# KiCad board ElonMux.kicad_pcb (continued)
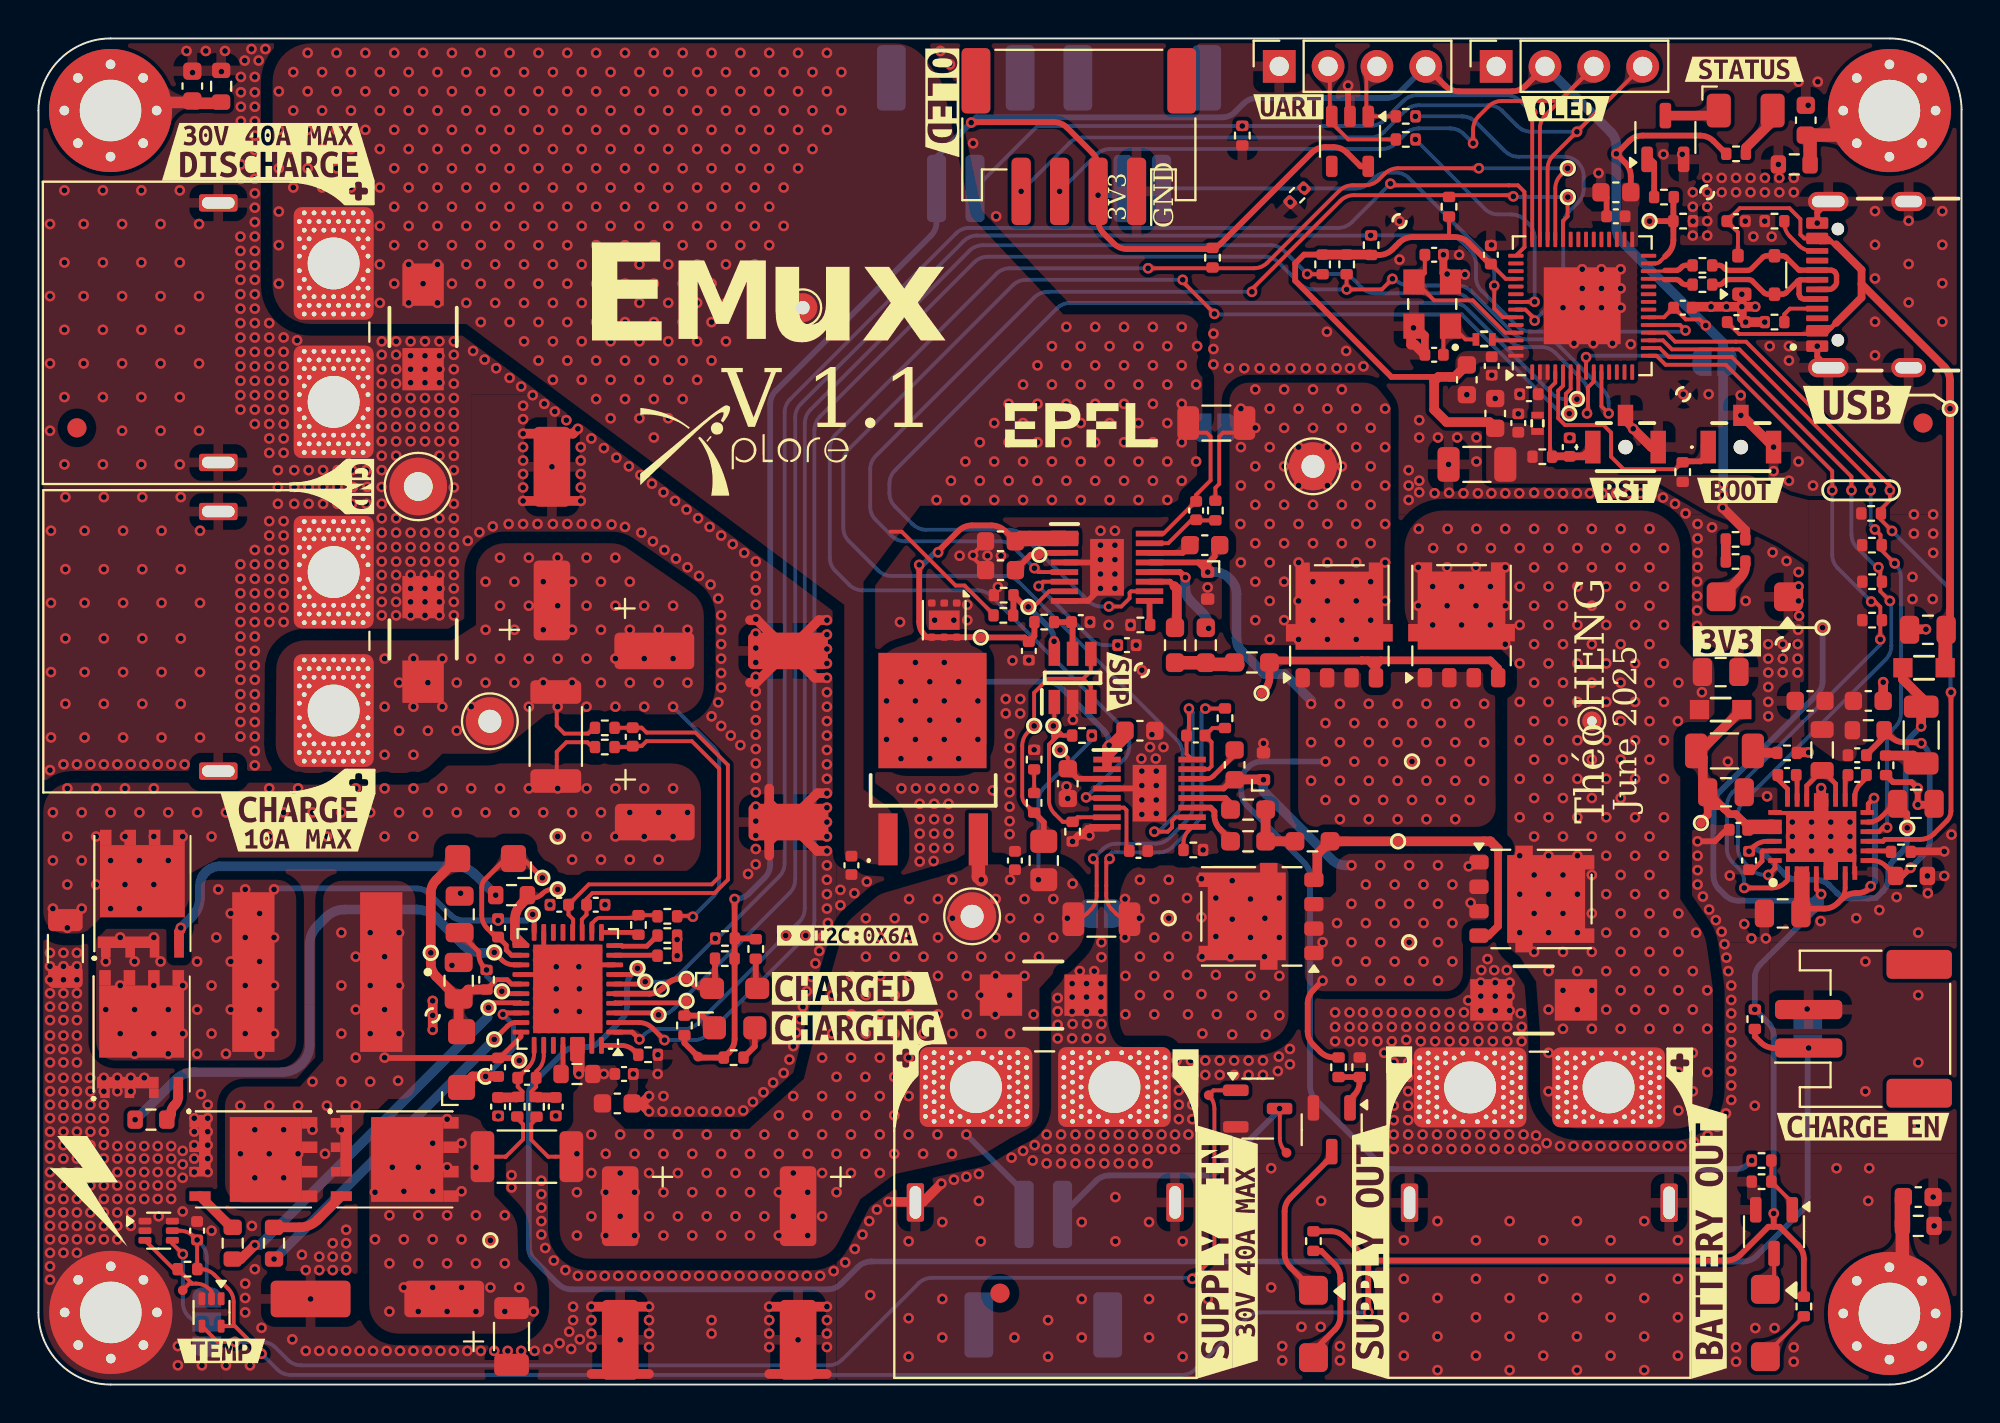
[diagram p0: board, top side]
## Routing (per net, layer and track width the routed paths; a pad name or vN(x,y) marks a point on that pad's centre or on a via; arc(x,y) is an arc through that point) (continued)
+VSUPPLY: length 25.7
  L1 (Sig, PWR) w0.2: R701.1 NT701.2 ; 53.72,24.2 53.81,24.2 arc(54.19,24.28) 54.52,24.49 54.73,24.71 arc(54.95,25.03) 55.03,25.41 NT801.1
  L1 (Sig, PWR) w0.25: U701.34 U701.33 ; 28.25,17.95 28.05,17.95 28,17.9 28,17.87 28,17.95 27.8,17.95 ; 28.28,17.95 28.28,16.33 v1(28.1,16.15) 28.1,16.6 27.78,16.93 27.78,17.95
  L1 (Sig, PWR) w0.4: v1(28.1,16.15) 28,16.25 28,17.87
  L1 (Sig, PWR) w0.7: v1(49.03,26.25) 48.88,26.4 D801.2
  L4 (Sig, PWR) w0.2: v1(54.78,33.75) 54.78,33.53 52.29,31.04 arc(52.08,30.72) 52,30.34 v1(52,26.25)
  L4 (Sig, PWR) w0.3: J901.2 51.25,10 v1(48.25,13)
  vias: v1(28,12) v1(28,10) v1(28,7.75) v1(28.75,13) v1(28.75,11) v1(28.75,8.75) v1(29.4,16.15) v1(29.5,12) v1(29.5,10) v1(29.5,7.75) v1(30.25,13) v1(30.25,11) v1(30.25,8.75) v1(31,12) v1(31,10) v1(31,7.75) v1(31.75,13) v1(31.75,11) v1(31.75,8.75) v1(32.5,12) v1(32.5,10) v1(32.5,7.75) v1(33.25,13) v1(33.25,11) v1(33.25,8.75) v1(34,12) v1(34,10) v1(34,7.75) v1(34.75,13) v1(34.75,11) v1(34.75,8.75) v1(35.5,12) v1(35.5,10) v1(35.5,7.75) v1(36.25,13) v1(36.25,11) v1(36.25,8.75) v1(37,12) v1(37,10) v1(37,7.75) v1(37.75,13) v1(37.75,11) v1(37.75,8.75) v1(38.5,14) v1(38.5,12) v1(38.5,10) v1(38.5,7.75) v1(39.25,15) v1(39.25,13) v1(39.25,11) v1(39.25,8.75) v1(40,14) v1(40,12) v1(40,10) v1(40,7.75) v1(40.75,17) v1(40.75,15) v1(40.75,13) v1(40.75,11) v1(40.75,8.75) v1(41.28,20.25) v1(41.28,18.25) v1(41.5,16) v1(41.5,14) v1(41.5,12) v1(41.5,10) v1(42.28,23.25) v1(42.28,21.25) v1(42.28,19.25) v1(42.25,17) v1(42.25,15) v1(42.25,13) v1(42.25,11) v1(43.03,24.25) v1(43.03,22.25) v1(43.03,20.25) v1(43.03,18.25) v1(43,16) v1(43,14) v1(43,12) v1(43.75,17) v1(43.75,15) v1(43.75,13) v1(43.75,11) v1(43.78,23.25) v1(43.78,21.25) v1(43.78,19.25) v1(44.53,24.25) v1(44.53,22.25) v1(44.53,20.25) v1(44.53,18.25) v1(44.5,16) v1(44.5,14) v1(44.5,12) v1(45.28,25.25) v1(45.28,23.25) v1(45.28,21.25) v1(45.28,19.25) v1(45.25,17) v1(45.25,15) v1(45.25,13) v1(46.03,24.25) v1(46.03,22.25) v1(46.03,20.25) v1(46.03,18.25) v1(46,12) v1(46.75,13) v1(46.78,25.25) v1(46.78,23.25) v1(46.78,21.25) v1(46.78,19.25) v1(47.53,26.25) v1(47.53,24.25) v1(47.53,22.25) v1(47.53,20.25) v1(47.53,18.25) v1(47.5,12) v1(48.28,21.25) v1(48.28,19.25) v1(49.03,22.25) v1(49,20.25) v1(49.03,18.25) v1(49.75,19.25) v1(49.78,25.25) v1(49.78,23.25) v1(49.78,21.25) v1(50.53,26.25) v1(50.53,24.25) v1(50.53,22.25) v1(50.5,20.25) v1(50.53,18.25) v1(51.28,25.25) v1(51.28,23.25) v1(51.28,21.25) v1(51.75,19.25) v1(52.03,24.25) v1(52.03,22.25) v1(52.78,25.25) v1(52.78,23.25) v1(53.5,24.25) v1(53.78,26.05)
+VSUPPLY_C: length 3.8
  L1 (Sig, PWR) w0.2: 23.85,11.85 R701.2
  L1 (Sig, PWR) w0.5: 19.45,4.05 22.45,4.05
  vias: v1(17.5,10) v1(17.5,7.55) v1(18.25,8.8) v1(18.25,6.3) v1(18.25,3.8) v1(18.4,11.3) v1(19,10.05) v1(19,7.55) v1(19,5.05) v1(19.75,11.3) v1(19.75,8.8) v1(19.75,6.3) v1(19.75,3.8) v1(20.5,12.55) v1(20.5,10.05) v1(20.5,7.55) v1(20.5,5.05) v1(21.25,13.8) v1(21.25,11.3) v1(21.25,8.8) v1(21.25,6.3) v1(21.25,3.8) v1(22,12.55) v1(22,10.05) v1(22,7.55) v1(22,5.05) v1(22.75,11.3) v1(22.75,8.8) v1(22.75,6.3) v1(22.75,3.8) v1(23.5,7.5) v1(23.5,5.05) v1(24.25,8.8) v1(24.25,6.3) v1(24.25,3.8) v1(25,5.05) v1(25.75,3.8)
/Project Architecture/Interface - Connectors/CC1: length 2.2
  L1 (Sig, PWR) w0.2: J1004.A5 91.07,55.95 90.78,55.66 R1003.2
/Project Architecture/Interface - Connectors/CC2: length 2.6
  L1 (Sig, PWR) w0.2: J1004.B5 92.24,58.95 arc(91.86,59.03) 91.54,59.24 91.08,59.7 arc(90.86,60.03) 90.78,60.41 R1004.2
/Project Architecture/Interface - Connectors/GPIO35: length 42.2
  L1 (Sig, PWR) w0.2: J1002.4 83.4,68.55 80.05,65.2 ; 80.05,65.2 78.77,63.92 arc(78.55,63.59) 78.47,63.21 U401.40 ; 80.05,65.2 v1(80,65.15)
  L4 (Sig, PWR) w0.2: v1(51.1,62.05) 53.61,64.56 arc(53.93,64.77) 54.31,64.85 69.27,64.85 arc(69.65,64.93) 69.98,65.14 71.07,66.23 arc(71.39,66.45) 71.78,66.53 75.41,66.53 arc(75.79,66.45) 76.12,66.23 76.91,65.44 arc(77.23,65.23) 77.61,65.15 v1(80,65.15)
/Project Architecture/Interface - Connectors/GPIO36: length 41.6
  L1 (Sig, PWR) w0.2: v1(74.6,64.55) 74.6,65.25 arc(74.68,65.63) 74.89,65.96 75.39,66.46 arc(75.72,66.67) 76.1,66.75 78.67,66.75 arc(79.05,66.83) 79.37,67.04 J1002.3 80.88,68.53 78.37,66.02 arc(78.15,65.69) 78.07,65.31 U401.41
  L4 (Sig, PWR) w0.2: v1(53.1,62.05) 55.01,63.96 arc(55.33,64.17) 55.71,64.25 69.87,64.25 arc(70.25,64.33) 70.58,64.54 71.07,65.03 arc(71.39,65.25) 71.78,65.33 73.41,65.33 arc(73.79,65.25) 74.12,65.03 v1(74.6,64.55)
/Project Architecture/Interface - Connectors/GPIO37: length 37.8
  L1 (Sig, PWR) w0.2: v1(77.68,66.15) U401.42
  L4 (Sig, PWR) w0.2: J1005.2 51.95,65.45 v1(62.6,65.45) 62.6,65.45 69.26,65.45 arc(69.65,65.53) 69.97,65.74 70.98,66.76 arc(71.31,66.97) 71.69,67.05 76.34,67.05 arc(76.72,66.97) 77.04,66.76 77.65,66.15 v1(77.68,66.15)
/Project Architecture/Interface - Connectors/GPIO45: length 23.1
  L1 (Sig, PWR) w0.2: v1(75.7,57.15) 75.7,55.95 76.15,55.5 76.82,55.5
  L4 (Sig, PWR) w0.2: J1006.2 v1(65.8,62.2) 68.5,62.2 arc(68.88,62.28) 69.21,62.49 69.45,62.73 arc(69.77,62.95) 70.15,63.03 70.57,63.03 arc(70.95,62.95) 71.27,62.73 75.41,58.6 arc(75.62,58.27) 75.7,57.89 v1(75.7,57.15)
/Project Architecture/Interface - Connectors/U0RXD: length 19.8
  L1 (Sig, PWR) w0.2: 76.82,55.9 77.32,55.9 77.8,55.42 v1(77.8,55.33)
  L4 (Sig, PWR) w0.2: v1(71.6,65.95) 74.03,65.95 arc(74.42,65.87) 74.74,65.66 76.26,64.14 arc(76.58,63.93) 76.96,63.85 79.34,63.85 arc(79.72,63.77) 80.04,63.56 80.06,63.54 arc(80.27,63.22) 80.35,62.84 80.35,62.18 arc(80.27,61.79) 80.06,61.47 79.58,60.99 arc(79.36,60.67) 79.29,60.28 79.29,57.24 arc(79.21,56.86) 78.99,56.53 77.8,55.34 v1(77.8,55.33)
/Project Architecture/Interface - Connectors/U0RXD_C: length 4.3
  L1 (Sig, PWR) w0.2: J1003.3 69.05,68 69.05,66.05 D1001.1 R1001.2
/Project Architecture/Interface - Connectors/U0TXD: length 12.7
  L1 (Sig, PWR) w0.2: 76.82,56.3 77.79,56.3 v1(77.8,56.31)
  L4 (Sig, PWR) w0.2: v1(77.8,56.31) 77.8,59.64 arc(77.72,60.02) 77.51,60.34 77.29,60.56 arc(76.97,60.77) 76.59,60.85 75.91,60.85 arc(75.53,60.93) 75.21,61.14 v1(71.6,64.75)
/Project Architecture/Interface - Connectors/U0TXD_C: length 6.7
  L1 (Sig, PWR) w0.2: J1003.2 67.15,68.46 67.15,66.05 D1001.3 67.25,65.61 68.11,64.75 R1002.2
/Project Architecture/Interface - Connectors/USB_C+: length 8.8
  L1 (Sig, PWR) w0.276: R1006.2 87.4,58.2 arc(87.51,58.18) 87.59,58.12 87.7,58.02 arc(87.79,57.96) 87.89,57.94 88.88,57.94 arc(88.98,57.96) 89.07,58.02 89.67,58.62 arc(89.76,58.68) 89.86,58.7 90.69,58.7 arc(90.79,58.68) 90.88,58.62 91.54,57.96 arc(91.56,57.94) 91.59,57.94 91.61,57.94 arc(91.62,57.94) 91.63,57.94 arc(91.63,57.95) 91.64,57.95 J1004.B6 93.21,57.95 arc(93.31,57.93) 93.4,57.87 93.42,57.85 arc(93.48,57.76) 93.5,57.66 93.5,57.32 arc(93.48,57.22) 93.42,57.13 93.32,57.03 arc(93.23,56.97) 93.13,56.95 J1004.A6
/Project Architecture/Interface - Connectors/USB_C-: length 8.1
  L1 (Sig, PWR) w0.276: 91.63,57.45 J1004.A7 ; 91.63,57.45 arc(91.56,57.44) 91.49,57.39 ; 91.63,57.45 arc(91.57,57.43) 91.55,57.37 ; R1005.2 87.4,57.2 arc(87.51,57.22) 87.59,57.28 87.7,57.38 arc(87.79,57.44) 87.89,57.46 88.93,57.46 arc(89.03,57.44) 89.12,57.38 89.73,56.78 arc(89.81,56.72) 89.92,56.7 90.69,56.7 arc(90.79,56.72) 90.88,56.78 91.49,57.39 ; 91.49,57.39 arc(91.53,57.4) 91.55,57.37 ; 91.55,57.37 91.55,56.72 arc(91.57,56.62) 91.63,56.53 arc(91.72,56.47) 91.82,56.45 J1004.B7
/Project Architecture/Interface - Connectors/USB_D+: length 2.3
  L1 (Sig, PWR) w0.16: 84.49,57.9 U401.26
  L1 (Sig, PWR) w0.276: R1006.1 85.65,58.2 arc(85.54,58.18) 85.46,58.12 85.35,58.02 arc(85.28,57.97) 85.2,57.94 84.58,57.94
/Project Architecture/Interface - Connectors/USB_D-: length 2.3
  L1 (Sig, PWR) w0.16: U401.25 84.51,57.5
  L1 (Sig, PWR) w0.276: 84.55,57.46 85.16,57.46 arc(85.26,57.44) 85.35,57.38 85.46,57.28 arc(85.54,57.22) 85.65,57.2 R1005.1
/Project Architecture/MCU - Unit/CHUP_PU: length 6.5
  L1 (Sig, PWR) w0.2: U401.4 78.88,52.1 78.6,51.83 78.6,48.54 78.66,48.48
  L1 (Sig, PWR) w0.4: 80.82,48.75 80.34,48.27 78.87,48.27
/Project Architecture/MCU - Unit/CLOCK_IN: length 1.2
  L1 (Sig, PWR) w0.2: 76.82,54.3 75.71,54.3 75.66,54.35
/Project Architecture/MCU - Unit/CLOCK_IN_C: length 3.1
  L1 (Sig, PWR) w0.2: 73.06,53.55 73.06,54.56 73.53,55.03 74.21,54.35 74.69,54.35
/Project Architecture/MCU - Unit/CLOCK_OUT: length 7.9
  L1 (Sig, PWR) w0.2: 76.82,54.7 76.27,54.7 74.59,56.38 72.57,56.38 71.62,57.33 72.09,57.8 C410.2
/Project Architecture/MCU - Unit/FAULT1: length 78.7
  L1 (Sig, PWR) w0.2: v1(54.47,30.53) 54.51,30.5 IC801.5 ; v1(79.51,63.25) 79.17,62.9 arc(78.95,62.58) 78.88,62.2 U401.39 ; v1(57.7,58.05) 63.2,58.05 arc(63.58,58.13) 63.91,58.34 67.63,62.07 arc(67.96,62.29) 68.34,62.36 68.99,62.36 arc(69.37,62.44) 69.69,62.66 69.99,62.96 arc(70.32,63.17) 70.7,63.25 v1(74.9,63.25)
  L4 (Sig, PWR) w0.2: v1(57.7,58.05) 50.51,58.05 arc(50.13,57.97) 49.81,57.76 41.44,49.39 arc(41.23,49.07) 41.15,48.69 41.15,43.01 arc(41.23,42.63) 41.44,42.31 42.16,41.59 arc(42.48,41.38) 42.86,41.3 48.84,41.3 arc(49.22,41.22) 49.54,41.01 56.43,34.12 arc(56.65,33.79) 56.72,33.41 56.72,33.2 arc(56.65,32.82) 56.43,32.49 v1(54.47,30.53) ; v1(74.9,63.25) v1(79.51,63.25)
/Project Architecture/MCU - Unit/FAULT2: length 58.3
  L1 (Sig, PWR) w0.2: IC802.5 51.99,42.25 v1(51.79,42.45) ; v1(76.69,61.79) 76.63,61.85 68.4,61.85 arc(68.02,61.77) 67.7,61.56 63.16,57.02 63.16,56.89 v1(63.1,56.83) ; v1(79.53,61.75) 79.51,61.74 79.51,60.75 79.28,60.51 U401.38
  L4 (Sig, PWR) w0.2: v1(79.53,61.75) 76.73,61.75 v1(76.69,61.79) ; v1(51.79,42.45) 50.68,43.56 arc(50.36,43.77) 49.98,43.85 45.06,43.85 arc(44.68,43.93) 44.36,44.14 43.54,44.96 arc(43.33,45.28) 43.25,45.66 43.25,47.59 arc(43.33,47.97) 43.54,48.29 51.78,56.53 arc(52.11,56.75) 52.49,56.83 v1(63.1,56.83)
/Project Architecture/MCU - Unit/GPIO0: length 12.8
  L1 (Sig, PWR) w0.2: 85.53,48.01 85.12,47.6 82.43,47.6 81.78,48.25 81.78,49.5 81.38,49.9 79.38,49.9 79.03,50.25 79.03,51.68 79.28,51.93 U401.5
  L1 (Sig, PWR) w0.3: 86.82,48.75 86.82,48.4 86.44,48.01 85.53,48.01
/Project Architecture/MCU - Unit/GPIO3: length 7
  L1 (Sig, PWR) w0.2: v1(80.48,53.43) 80.47,53.43 U401.8
  L4 (Sig, PWR) w0.2: v1(80.48,53.43) 80.55,53.5 86.2,53.5 JP401.1
/Project Architecture/MCU - Unit/IMON1: length 80.6
  L1 (Sig, PWR) w0.2: v1(59.5,57.45) 59.5,57.35 61.15,55.7 v1(61.15,55.68) ; IC801.10 59.12,29.5 58.95,29.33 58.95,28.98 58.72,28.75 v1(58.03,28.75) ; v1(79.6,50.49) 79.43,50.67 79.43,51.52 79.68,51.77 U401.6
  L4 (Sig, PWR) w0.2: v1(58.03,28.75) 58.25,28.75 59.21,29.71 arc(59.42,30.03) 59.5,30.41 59.5,32.81 arc(59.42,33.19) 59.21,33.51 50.96,41.76 arc(50.64,41.97) 50.25,42.05 44.36,42.05 arc(43.98,42.13) 43.66,42.34 42.14,43.86 arc(41.93,44.18) 41.85,44.56 41.85,47.94 arc(41.93,48.32) 42.14,48.64 50.66,57.16 arc(50.98,57.37) 51.36,57.45 v1(59.5,57.45) ; v1(79.6,50.49) 79.17,50.49 74.01,55.65 61.18,55.65 v1(61.15,55.68)
/Project Architecture/MCU - Unit/IMON2: length 60.2
  L1 (Sig, PWR) w0.2: v1(55.66,40.46) 56.31,40.46 56.74,40.89 56.74,41.18 56.81,41.25 57.78,41.25 ; U401.7 80.07,51.32 v1(80,51.24)
  L4 (Sig, PWR) w0.2: v1(55.66,40.46) 55.29,40.46 arc(54.91,40.54) 54.59,40.75 51.18,44.16 arc(50.86,44.37) 50.47,44.45 46.16,44.45 arc(45.78,44.53) 45.46,44.74 44.54,45.66 arc(44.33,45.98) 44.25,46.36 44.25,46.84 arc(44.33,47.22) 44.54,47.54 52.96,55.96 arc(53.28,56.17) 53.66,56.25 73.57,56.25 arc(73.95,56.17) 74.27,55.96 78.7,51.53 arc(79.02,51.32) 79.4,51.24 v1(80,51.24)
/Project Architecture/MCU - Unit/INTn: length 91.8
  L1 (Sig, PWR) w0.2: U401.19 85.36,55.1 v1(85.65,54.82)
  L1 (Sig, PWR) w0.25: v1(32.24,19.23) 32.14,19.33 U701.3
  L4 (Sig, PWR) w0.2: v1(85.65,54.82) 85.58,54.75 77.59,54.75 arc(77.21,54.83) 76.88,55.04 75.04,56.88 arc(74.83,57.21) 74.75,57.59 74.75,58.27 arc(74.67,58.66) 74.46,58.98 73.97,59.47 arc(73.65,59.68) 73.26,59.76 v1(69.28,59.76) 69.26,59.75 48.81,59.75 arc(48.43,59.67) 48.11,59.46 39.64,50.99 arc(39.43,50.67) 39.35,50.29 39.35,26.26 arc(39.27,25.88) 39.06,25.56 33.02,19.52 arc(32.69,19.3) 32.31,19.23 v1(32.24,19.23)
/Project Architecture/MCU - Unit/LED_DBG: length 5.5
  L1 (Sig, PWR) w0.2: 84.59,58.66 84.32,58.4 arc(84.21,58.33) 84.08,58.3 U401.27 ; 85.01,60.75 85.03,60.74 85.03,60.5
  L1 (Sig, PWR) w0.3: 84.59,58.66 84.72,58.8 arc(84.94,59.13) 85.01,59.51 R1103.1 v1(83.78,60.5) ; 85.01,60.75 85.01,61.75
  L4 (Sig, PWR) w0.2: v1(83.78,60.5) 83.8,60.5
/Project Architecture/MCU - Unit/PGn: length 82.3
  L1 (Sig, PWR) w0.2: 76.82,58.7 77.28,59.15 77.28,61.88 77.27,61.88 77.27,62.03 76.93,62.36 76.46,62.36 76.45,62.36 70.39,62.36 v1(70.3,62.45)
  L1 (Sig, PWR) w0.25: v1(31.55,20.95) 31.43,20.83 U701.6
  L4 (Sig, PWR) w0.2: v1(70.3,62.45) 68.29,60.44 arc(67.97,60.23) 67.59,60.15 48.41,60.15 arc(48.03,60.07) 47.71,59.86 39.09,51.24 arc(38.88,50.92) 38.8,50.54 38.8,27.11 arc(38.72,26.73) 38.51,26.41 35.3,23.2 v1(35.19,23.2) 33.23,21.24 arc(32.91,21.03) 32.53,20.95 v1(31.55,20.95)
  L4 (Sig, PWR) w0.25: v1(31.55,20.95) 31.47,21.03
/Project Architecture/MCU - Unit/PGOOD: length 39.8
  L1 (Sig, PWR) w0.2: U401.18 84.64,54.7 85.11,54.23 88.27,54.23 88.27,54.23 88.79,54.23 96.28,46.75 v1(96.28,46.5) ; v1(96.39,44.39) 95.78,44.99 95.78,45.5 96.28,45.99 v1(96.28,46.5) ; v1(96.28,46.5) 96.28,46.25
  L1 (Sig, PWR) w0.25: IC601.11 95.92,28.25 96.02,28.35 97.86,28.35 arc(98.24,28.43) 98.56,28.64 99.24,29.32 arc(99.4,29.55) 99.45,29.83 v1(99.45,36)
  L4 (Sig, PWR) w0.2: v1(96.39,44.39) 99.13,41.64 arc(99.35,41.32) 99.43,40.94 99.43,36.05 ; v1(96.28,46.5) 96.35,46.5
/Project Architecture/MCU - Unit/PRIORITY: length 34.6
  L1 (Sig, PWR) w0.2: v1(95.49,44.47) 95.78,44.18 95.78,43.44 v1(96.53,42.7) ; 95.21,46.5 v1(95.28,46.5) 95.28,47 88.44,53.83 88.1,53.83 88.1,53.83 84.94,53.83 84.47,54.3 U401.17
  L1 (Sig, PWR) w0.25: v1(96.13,28.97) 96.12,28.98 95.93,28.98 95.7,28.75 IC601.12
  L4 (Sig, PWR) w0.2: v1(96.53,42.7) 96.56,42.67 arc(96.77,42.34) 96.85,41.96 96.85,34.91 arc(96.77,34.53) 96.56,34.21 96.42,34.07 arc(96.21,33.75) 96.13,33.37 v1(96.13,28.97) ; v1(95.49,44.47) 95.28,44.69 v1(95.28,46.5)
/Project Architecture/MCU - Unit/SCL: length 90.2
  L1 (Sig, PWR) w0.2: v1(65.97,57.75) 65.99,57.74 R401.2 ; v1(80.53,50.5) 80.57,50.55 80.57,51.85 80.88,52.15 U401.9
  L1 (Sig, PWR) w0.25: U701.1 30.88,18.33 v1(31.25,17.95)
  L4 (Sig, PWR) w0.2: v1(31.25,17.95) 31.49,18.19 arc(31.82,18.41) 32.2,18.49 33.57,18.49 arc(33.95,18.56) 34.28,18.78 v1(38.85,23.35) 39.56,24.06 arc(39.77,24.38) 39.85,24.76 39.85,49.99 arc(39.93,50.37) 40.14,50.69 48.41,58.96 arc(48.73,59.17) 49.11,59.25 64.06,59.25 arc(64.44,59.17) 64.77,58.96 v1(65.97,57.75) 67.69,57.75 arc(68.07,57.67) 68.39,57.46 68.81,57.04 arc(69.13,56.83) 69.51,56.75 73.63,56.75 arc(74.01,56.67) 74.34,56.46 76.55,54.24 arc(76.88,54.03) 77.26,53.95 78.16,53.95 arc(78.54,53.87) 78.87,53.66 80.28,52.24 arc(80.5,51.92) 80.57,51.54 80.57,50.55 v1(80.53,50.5)
/Project Architecture/MCU - Unit/SDA: length 91.2
  L1 (Sig, PWR) w0.2: U401.10 81.28,50.88 v1(81.65,50.5) ; v1(70.41,57.5) 69.86,56.95 v1(68.03,56.95) R402.2
  L1 (Sig, PWR) w0.25: v1(32.55,17.91) 31.93,18.53 arc(31.61,18.75) 31.23,18.83 U701.2
  L4 (Sig, PWR) w0.2: v1(32.55,17.91) 34.1,17.91 arc(34.48,17.99) 34.8,18.2 39.9,23.3 v1(39.9,23.35) 39.95,23.35 40.06,23.46 arc(40.27,23.78) 40.35,24.16 40.35,49.64 arc(40.43,50.02) 40.64,50.34 48.66,58.36 arc(48.98,58.57) 49.36,58.65 63.77,58.65 arc(64.16,58.57) 64.48,58.36 65.6,57.24 arc(65.92,57.03) 66.3,56.95 v1(68.03,56.95) ; 70.53,57.5 70.58,57.44 arc(70.91,57.23) 71.29,57.15 73.8,57.15 arc(74.18,57.07) 74.5,56.86 76.72,54.64 arc(77.04,54.43) 77.42,54.35 78.33,54.35 arc(78.71,54.27) 79.03,54.06 81.36,51.73 arc(81.57,51.41) 81.65,51.03 v1(81.65,50.5)
/Project Architecture/MCU - Unit/VALID1: length 39.8
  L1 (Sig, PWR) w0.2: 94.28,46.62 94.28,47.22 88.06,53.43 84.78,53.43 84.31,53.9 U401.16 ; v1(95.68,42.5) 95.78,42.4 95.78,41.25 v1(96.28,40.75)
  L1 (Sig, PWR) w0.25: v1(89.95,26.5) 90.3,26.85 IC601.28
  L4 (Sig, PWR) w0.2: v1(94.28,46.5) 94.28,44.21 arc(94.35,43.83) 94.57,43.51 95.57,42.5 v1(95.68,42.5) ; v1(89.95,26.5) 89.78,26.5 arc(89.4,26.58) 89.07,26.79 88.67,27.2 arc(88.45,27.52) 88.37,27.91 88.37,29.61 arc(88.45,29.99) 88.67,30.32 96.06,37.71 arc(96.27,38.03) 96.35,38.41 96.35,40.68 v1(96.28,40.75)
/Project Architecture/MCU - Unit/VALID2: length 41.1
  L1 (Sig, PWR) w0.2: v1(93.28,46.5) 93.28,47.5 87.74,53.03 84.61,53.03 84.14,53.5 U401.15 ; v1(95.78,38.75) 95.78,40.44 95.49,40.72 v1(95.3,40.72)
  L1 (Sig, PWR) w0.25: v1(88.7,25.83) 90.14,25.83 arc(90.52,25.9) 90.84,26.12 90.95,26.23 IC601.1
  L4 (Sig, PWR) w0.2: v1(95.3,40.72) 93.57,42.45 arc(93.35,42.78) 93.28,43.16 v1(93.28,46.5) ; v1(88.7,25.83) 88.7,26.14 arc(88.62,26.52) 88.41,26.84 88.09,27.16 arc(87.88,27.48) 87.8,27.86 87.8,30.09 arc(87.88,30.47) 88.09,30.79 95.78,38.48 v1(95.78,38.75)
/Project Architecture/Misc - Mounting Holes & Fiducials/HOLE1: length 4.8
  L1 (Sig, PWR) w0.7: 95,64.98 C1201.1 92.03,64.98 92.12,64.88 R1201.1
/Project Architecture/Misc - Mounting Holes & Fiducials/HOLE3: length 5.8
  L1 (Sig, PWR) w0.7: R1202.1 96.93,3.85
  L1 (Sig, PWR) w0.8: 96.93,9.67 R1202.1
/Project Architecture/Misc - Mounting Holes & Fiducials/HOLE4: length 3.7
  L1 (Sig, PWR) w0.5: 6.22,66.18 H1204.1 ; 8.06,66.63 8.01,66.68
  L1 (Sig, PWR) w0.6: 9.51,66.63 8.06,66.63 ; 8.01,66.68 5.94,66.68
/Project Architecture/Power - Charger/+VCHARGE_O: length 13.9
  L1 (Sig, PWR) w0.2: NT704.2 26.95,35.2 v1(27,35.25) ; 33.21,24.37 33.99,24.37 v1(34.03,24.33) 34.01,24.35 34,24.35
  L4 (Sig, PWR) w0.2: v1(34.03,24.33) 35.11,25.4 arc(35.32,25.73) 35.4,26.11 35.4,32.44 arc(35.32,32.82) 35.11,33.14 v1(33,35.25)
  vias: v1(18,37.75) v1(18,35.25) v1(18,32.75) v1(18.75,36.5) v1(18.75,34) v1(19.5,37.75) v1(19.5,35.25) v1(19.5,32.75) v1(20.25,36.5) v1(20.25,34) v1(21,37.75) v1(21,35.25) v1(21.75,36.5) v1(21.75,34) v1(22.5,37.75) v1(22.5,35.25) v1(23.25,41.75) v1(23.25,39.25) v1(23.25,36.5) v1(24,43) v1(24,40.5) v1(24,37.75) v1(24.75,41.75) v1(24.75,39.25) v1(24.75,36.5) v1(25.5,43) v1(25.5,40.5) v1(25.5,37.75) v1(25.5,35.25) v1(26.25,41.75) v1(26.25,39.25) v1(26.25,36.5) v1(27,43) v1(27,40.5) v1(27,37.75) v1(27.75,41.75) v1(27.75,39.25) v1(27.75,36.5) v1(28.5,43) v1(28.5,40.5) v1(28.5,37.75) v1(28.5,35.25) v1(29.25,41.75) v1(29.25,39.25) v1(29.25,36.5) v1(30,43) v1(30,40.5) v1(30,37.75) v1(30,35.25) v1(30.75,41.75) v1(30.75,39.25) v1(30.75,36.5) v1(31.5,40.5) v1(31.5,37.75) v1(31.5,35.25) v1(32.25,39.25) v1(32.25,36.5) v1(33,40.5) v1(33,37.75) v1(33.75,39.25) v1(33.75,36.5)
/Project Architecture/Power - Charger/ACN: length 4.3
  L1 (Sig, PWR) w0.2: U701.29 25.78,17.22 arc(25.7,16.84) 25.48,16.51 C709.2 24.92,15.49 25.18,15.23 25.18,14.8
  L1 (Sig, PWR) w0.5: R706.1 24.87,14.93 C714.1
/Project Architecture/Power - Charger/ACP: length 4.1
  L1 (Sig, PWR) w0.2: 25.62,14.8 25.62,15.23 25.88,15.49 C709.1 25.88,16.27 25.98,16.38 arc(26.2,16.7) 26.28,17.08 U701.30
  L1 (Sig, PWR) w0.5: R705.1 25.92,14.93 C713.1
/Project Architecture/Power - Charger/BTST1: length 7.2
  L1 (Sig, PWR) w0.25: U701.26 24.23,19.33 v1(24.15,19.25)
  L1 (Sig, PWR) w0.5: D701.1 22.57,16.03 v1(23.25,16.03) 23.25,16.02 C710.2
  L4 (Sig, PWR) w0.25: v1(24.15,19.25) 24.7,18.7 24.7,17.48 v1(23.25,16.03)
/Project Architecture/Power - Charger/BTST2: length 9.1
  L1 (Sig, PWR) w0.25: v1(26.2,26.35) 25.2,27.35 D702.1 24.3,27.35 23.22,26.27 arc(23.09,26.08) 23.05,25.86 23.05,24.42 arc(23.13,24.04) 23.34,23.72 23.79,23.27 C711.2 24.32,22.85 24.32,22.6 24.6,22.33 U701.20
  L4 (Sig, PWR) w0.25: v1(26.2,26.35) 26.1,26.35
/Project Architecture/Power - Charger/CEn: length 100
  L1 (Sig, PWR) w0.25: U701.7 30.82,21.33 v1(31.15,21.65)
  L1 (Sig, PWR) w0.3: R718.2 89.25,18.1 89.56,17.79 arc(89.88,17.58) 90.26,17.5 v1(92.05,17.5)
  L4 (Sig, PWR) w0.3: 92,18 92,17.55 v1(92.05,17.5) 92,17.45 92,9.76 arc(91.92,9.38) 91.71,9.06 89.34,6.69 arc(89.02,6.48) 88.64,6.4 43.31,6.4 arc(42.93,6.32) 42.61,6.11 41.74,5.24 arc(41.42,5.03) 41.04,4.95 27.71,4.95 arc(27.33,5.03) 27.01,5.24 25.79,6.46 arc(25.58,6.78) 25.5,7.16 25.5,15.06 arc(25.58,15.44) 25.79,15.77 27.28,17.26 arc(27.61,17.47) 27.99,17.55 28.49,17.55 arc(28.87,17.63) 29.19,17.84 30.31,18.96 arc(30.52,19.28) 30.6,19.66 30.6,20.69 arc(30.68,21.07) 30.89,21.39 v1(31.15,21.65)
/Project Architecture/Power - Charger/DRV_SUP: length 14
  L1 (Sig, PWR) w0.25: U701.23 24.6,20.83 24.38,21.05 23.81,21.05 R714.2
  L1 (Sig, PWR) w0.5: D701.2 21.85,18.5 C719.1 ; C719.1 20.69,21.21 arc(20.48,21.53) 20.4,21.91 v1(20.4,22.45) 20.4,25.54 arc(20.48,25.92) 20.69,26.24 D702.2 ; C719.1 22.34,20.54 R714.2
  L4 (Sig, PWR) w0.25: v1(20.4,22.45) 20.4,22.55
/Project Architecture/Power - Charger/FB: length 4.7
  L1 (Sig, PWR) w0.2: U701.12 28.78,23.98 28.98,24.18 arc(29.08,24.25) 29.2,24.27 31.06,24.27 R713.2 32.13,24.41 R711.1
  L1 (Sig, PWR) w0.25: U701.12 28.78,23.96 ; 31.04,24.25 R713.2
/Project Architecture/Power - Charger/FBG: length 2
  L1 (Sig, PWR) w0.25: U701.11 31.08,23.51 R713.1
/Project Architecture/Power - Charger/FSW_SYNC: length 2.1
  L1 (Sig, PWR) w0.25: U701.36 30.29,17.64 arc(30.67,17.56) 31,17.34 R715.1
/Project Architecture/Power - Charger/HIDRV1: length 17.9
  L1 (Sig, PWR) w0.25: U701.27 24.83,18.83 arc(24.59,18.78) 24.39,18.64 v1(23.7,17.95)
  L4 (Sig, PWR) w0.5: v1(23.7,17.95) 12.28,6.53 arc(12.27,6.53) 12.26,6.53 v1(12.25,6.53)
/Project Architecture/Power - Charger/HIDRV1_M: length 4.1
  L1 (Sig, PWR) w0.5: R703.2 13.56,8.18 arc(14.08,8.28) 14.52,8.57 Q701.2
/Project Architecture/Power - Charger/HIDRV2: length 6.9
  L1 (Sig, PWR) w0.25: v1(27,25.75) 26.71,25.75 arc(26.45,25.7) 26.23,25.55 26.17,25.5 arc(25.96,25.35) 25.7,25.3 arc(25.45,25.25) 25.23,25.1 ; 25.4,22.85 24.83,23.42 24.78,23.42 24.78,22.93 24.88,22.83 U701.19 25.03,22.83 24.65,23.2 24.65,23.35 ; 24.78,23.28 25.2,22.85
  L1 (Sig, PWR) w0.5: 24.78,23.42 24.78,24.19 arc(24.86,24.62) 25.1,24.98 25.23,25.1
  L4 (Sig, PWR) w0.25: v1(27,25.75) 26.9,25.75
/Project Architecture/Power - Charger/HIDRV2_M: length 20.3
  L1 (Sig, PWR) w0.5: 7.4,23.7 v1(7.4,23.75) ; 7.4,23.7 arc(7.39,23.65) 7.36,23.61 ; 7.4,23.7 arc(7.39,23.65) 7.36,23.61 ; 7.36,23.61 7.3,23.55 ; 7.36,23.61 7.36,23.61 arc(7.32,23.56) 7.31,23.5 Q702.2
  L4 (Sig, PWR) w0.5: v1(7.4,23.75) 8,24.35 arc(8.3,24.79) 8.4,25.31 8.4,25.93 arc(8.48,26.32) 8.7,26.65 arc(9.03,26.87) 9.42,26.95 21.71,26.95 arc(22.23,26.85) 22.67,26.55 v1(23.78,25.45)
/Project Architecture/Power - Charger/ICHG: length 2.2
  L1 (Sig, PWR) w0.25: U701.9 32.16,22.33 R716.1
/Project Architecture/Power - Charger/ILIM_HIZ: length 2.5
  L1 (Sig, PWR) w0.25: R717.1 31.63,22.8 30.35,22.8 30.32,22.83 U701.10
/Project Architecture/Power - Charger/IN+: length 2.6
  L1 (Sig, PWR) w0.2: 26,13.93 25.62,13.56 25.62,12.73 NT701.1
/Project Architecture/Power - Charger/IN-: length 2.7
  L1 (Sig, PWR) w0.2: 24.8,13.94 25.2,13.54 25.2,12.75 NT702.1 24.25,11.85
/Project Architecture/Power - Charger/LED_STAT1: length 1.8
  L1 (Sig, PWR) w0.3: R722.1 37.25,17.59 LED702.2
/Project Architecture/Power - Charger/LED_STAT2: length 1.6
  L1 (Sig, PWR) w0.3: R721.1 37.3,20.68 37.37,20.6
/Project Architecture/Power - Charger/LODRV1: length 20.8
  L1 (Sig, PWR) w0.25: v1(23.4,19.6) 23.65,19.85 25.06,19.85 U701.25
  L1 (Sig, PWR) w0.5: 10.1,6.53 10.53,6.53 v1(11.25,7.25)
  L4 (Sig, PWR) w0.5: v1(23.4,19.6) 23.35,19.55 23.35,19.1 11.5,7.25 v1(11.25,7.25)
/Project Architecture/Power - Charger/LODRV1_M: length 2.4
  L1 (Sig, PWR) w0.5: R709.2 10.06,8.18 arc(10.03,8.18) 10,8.2 Q703.2
/Project Architecture/Power - Charger/LODRV2: length 29.1
  L1 (Sig, PWR) w0.25: U701.21 24.72,21.83 arc(24.38,21.89) 24.09,22.09 v1(23.7,22.48)
  L4 (Sig, PWR) w0.5: v1(23.7,22.48) 23.69,22.46 arc(23.67,22.45) 23.66,22.45 23.06,22.45 arc(22.54,22.55) 22.1,22.85 20.65,24.3 arc(20.21,24.6) 19.69,24.7 15.91,24.7 arc(15.39,24.6) 14.95,24.3 14.5,23.85 arc(14.2,23.41) 14.1,22.89 14.1,17.66 arc(14,17.14) 13.7,16.7 13.65,16.65 arc(13.21,16.35) 12.69,16.25 8.1,16.25 arc(7.58,16.15) 7.14,15.85 5.07,13.79 arc(5.06,13.78) 5.04,13.78 v1(5.03,13.78)
/Project Architecture/Power - Charger/LODRV2_M: length 1.9
  L1 (Sig, PWR) w0.5: Q704.2 7.27,14.98 arc(7.22,14.74) 7.08,14.54 7.04,14.49 arc(6.94,14.34) 6.9,14.16 6.9,14.12 arc(6.87,13.98) 6.79,13.86 6.69,13.75
/Project Architecture/Power - Charger/OUT+: length 2.3
  L1 (Sig, PWR) w0.2: NT703.1 27.45,33.4 28.55,33.4 28.8,33.15 R707.2
/Project Architecture/Power - Charger/OUT-: length 2.3